# Altium PCB QAM16.PcbDoc (part 1 of 2)
Units mil, origin at the board's own origin, x right, y up, seen from the top; angles counter-clockwise.
Board outline 2913.39 x 1339.29 mil, 4 copper layers (Top Layer, MidLayer1, MidLayer2, Bottom Layer), stack 61.2 mil thick; 129 components, 99 nets, 457 pads, 177 vias.
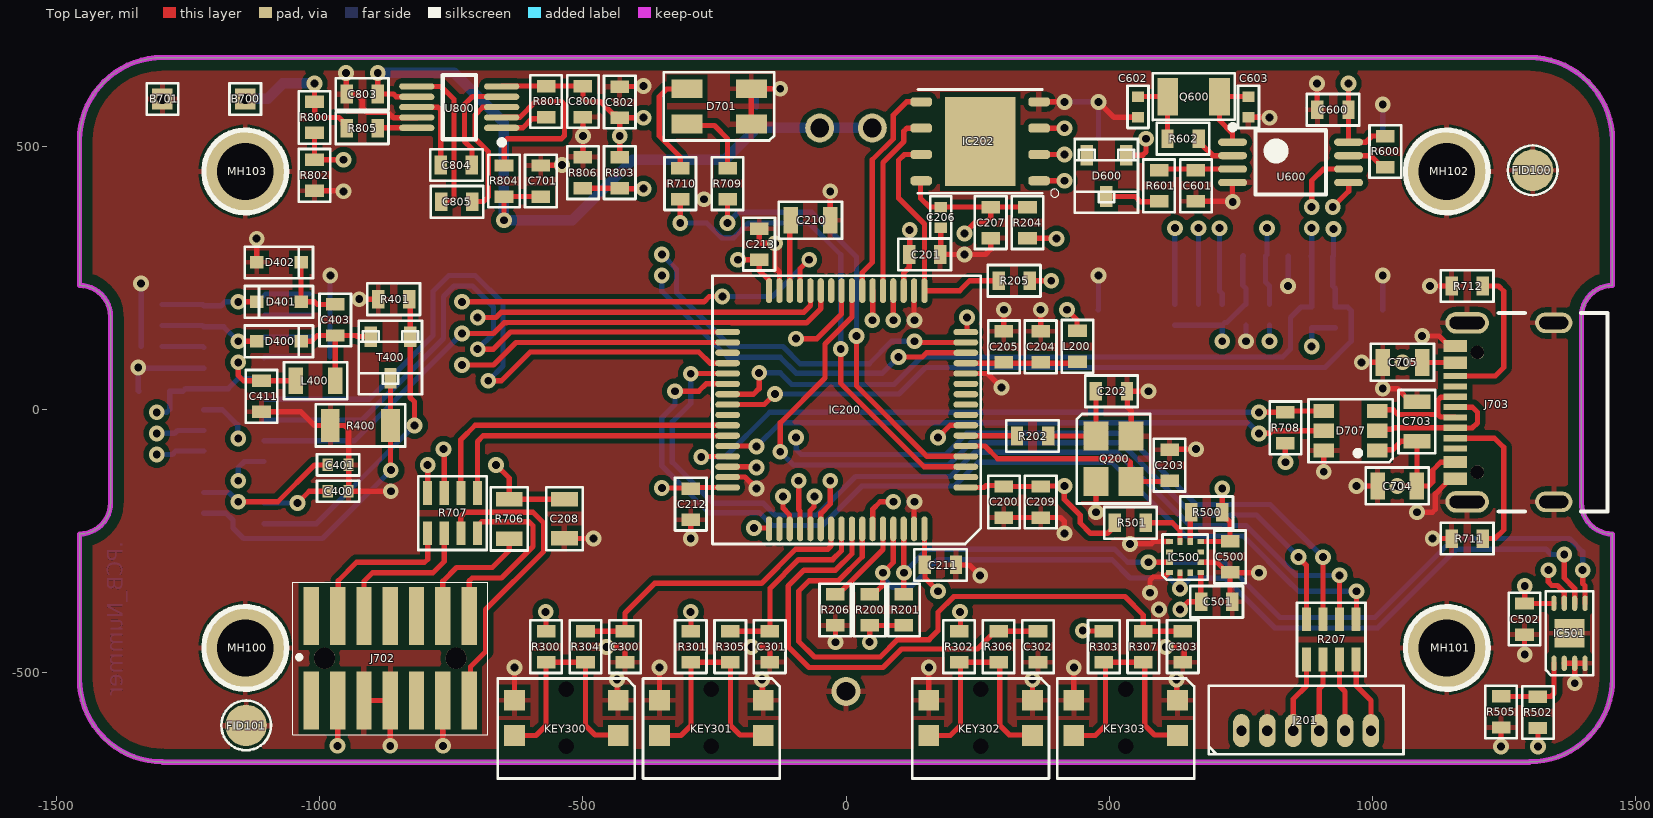
[diagram p0: Top Layer view]
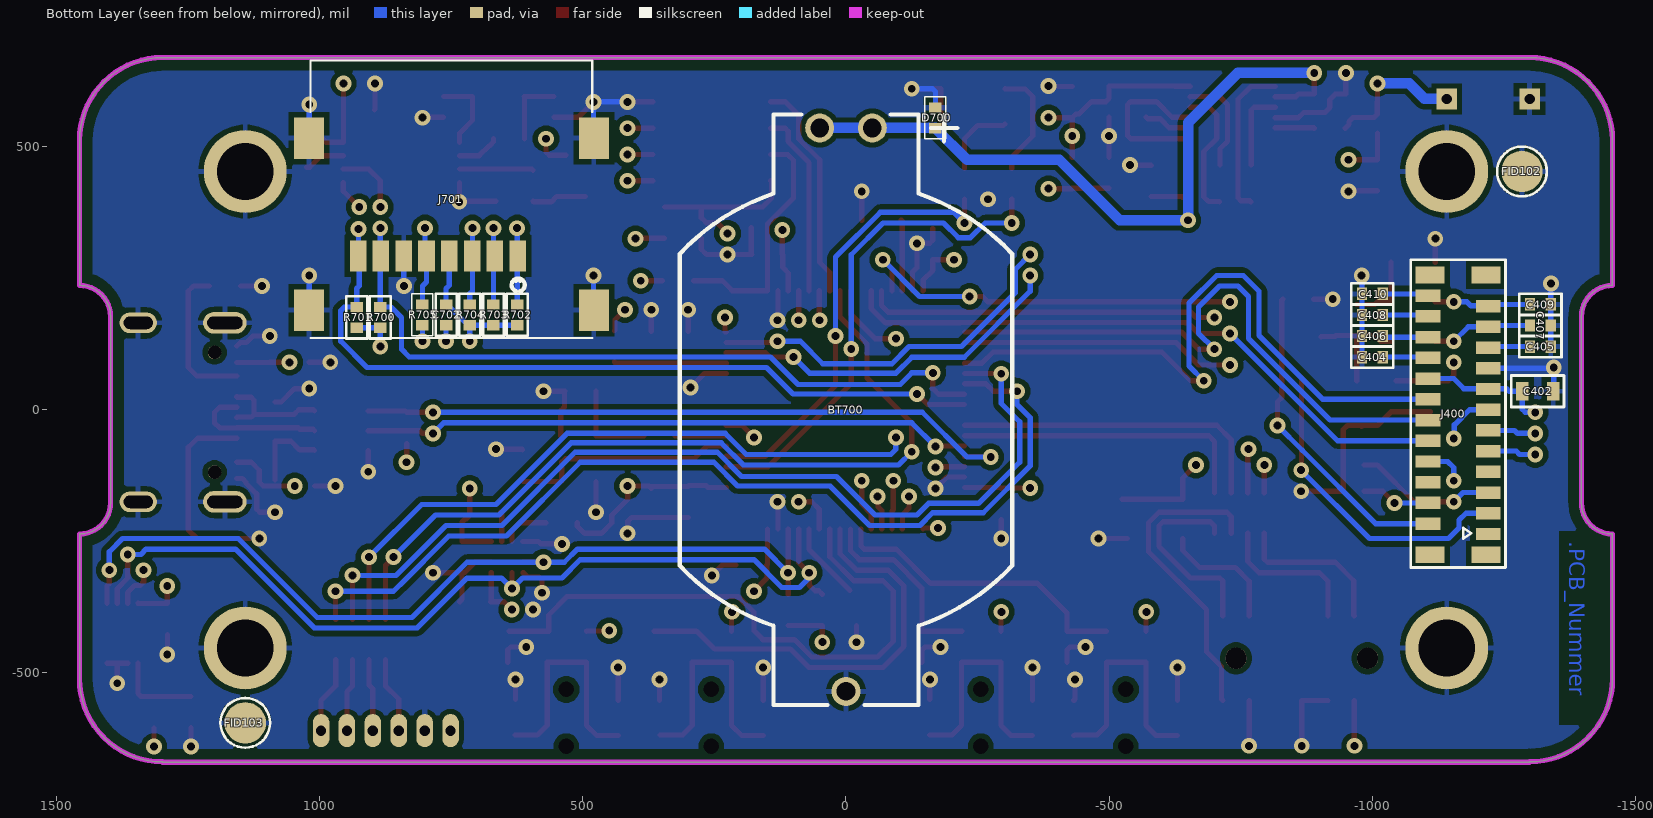
[diagram p1: Bottom Layer view, seen from below]
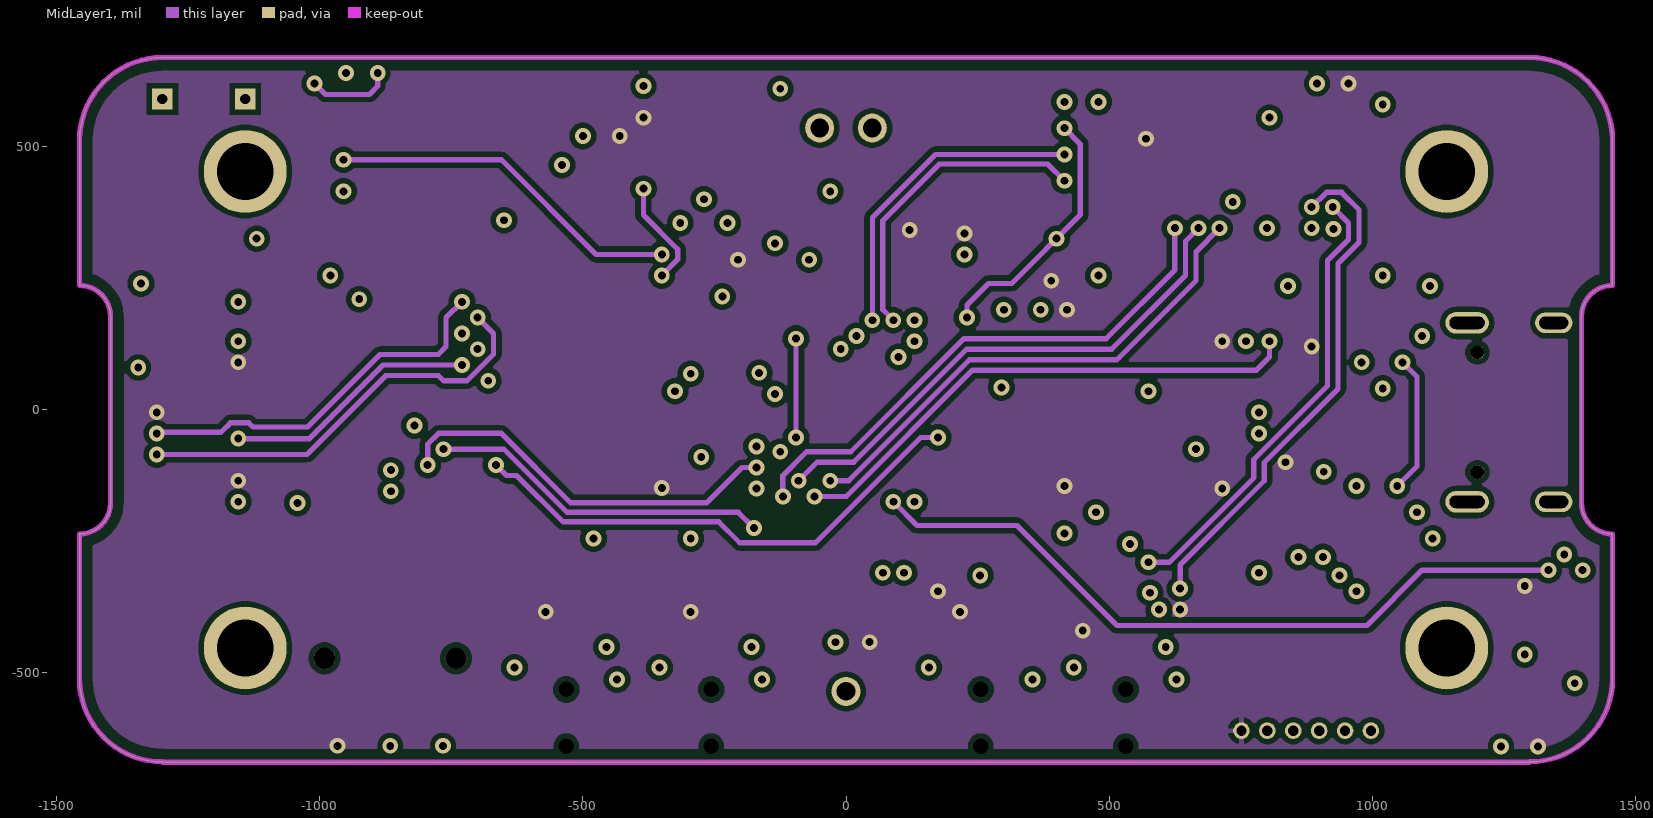
[diagram p2: MidLayer1]
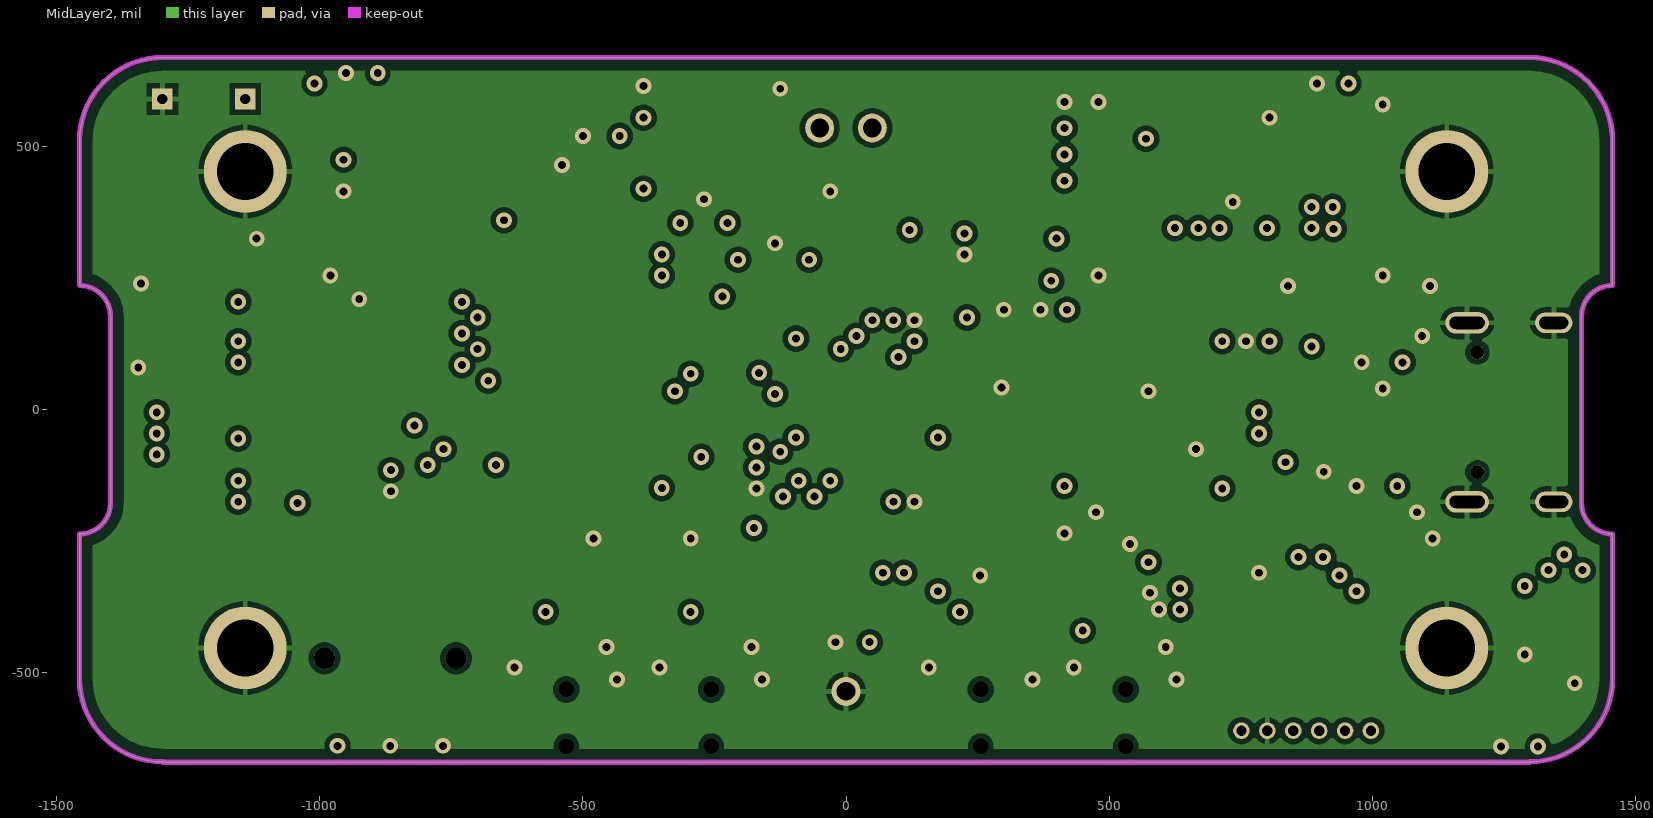
[diagram p3: MidLayer2]
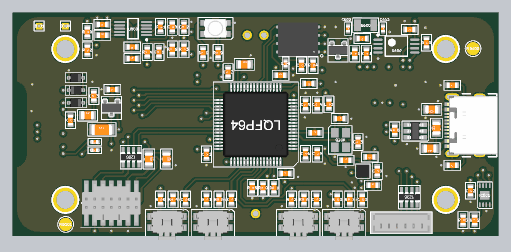
[diagram p5: 3D render of the assembled board from above, using the file's embedded part models]
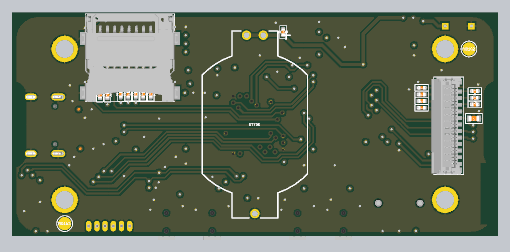
[diagram p6: 3D render of the assembled board from below, using the file's embedded part models]

## Layer stack, top to bottom
Top Solder: solder mask 0.5, Solder Resist, Dk 3.3
Top Layer: signal copper 0.7
Dielectric1: core 9, FR-4, Dk 4.3
MidLayer1: signal copper 1.4
Dielectric2: prepreg 39, FR-4, Dk 4.3
MidLayer2: signal copper 1.4
Dielectric3: core 9, FR-4, Dk 4.3
Bottom Layer: signal copper 0.7
Bottom Solder: solder mask 0.5, Solder Resist, Dk 3.3

## Board outline
-1299.21,-669.29 cw(c-1299.21,-511.81) -1456.69,-511.81 -1456.69,-236.22 ccw(c-1456.69,-177.17) -1397.64,-177.17 -1397.64,177.17 ccw(c-1456.69,177.17) -1456.69,236.22 -1456.69,511.81 cw(c-1299.21,511.81) -1299.21,669.29 1299.21,669.29 cw(c1299.21,511.81) 1456.69,511.81 1456.69,236.22 ccw(c1456.69,177.17) 1397.64,177.17 1397.64,-177.17 ccw(c1456.69,-177.17) 1456.69,-236.22 1456.69,-511.81 cw(c1299.21,-511.81) 1299.21,-669.29 1298.5,-670 -1298.5,-670

## Design rules (kind name [scope] priority, off if disabled: settings)
Clearance ClearancePad/Keepout [(IsPad) vs (OnLayer('Keep-Out Layer'))] p1: gap=20 ignorepadtopadclearanceinfootprint=TRUE except(0: Arc-Hole Track-Hole SMDPad-Hole THPad-Hole Via-Hole Fill-Hole Poly-Hole Region-Hole Text-Hole; 10: Arc-THPad Track-THPad SMDPad-THPad THPad-THPad)
Clearance ClearancePad/Keepout_1 [(InComponent('KEY300') AND InComponent('KEY301') AND InComponent('KEY302') AND InComponent('KEY303'))] p2: gap=0 ignorepadtopadclearanceinfootprint=TRUE
Clearance ClearancePad/Pad [(IsPad) vs (IsPad)] p3: gap=5 ignorepadtopadclearanceinfootprint=TRUE except(0: Arc-SMDPad Arc-Hole Track-SMDPad Track-Hole SMDPad-SMDPad SMDPad-Hole THPad-Hole Via-Hole Fill-Hole Poly-Hole Region-Hole Text-Hole)
Clearance ClearancePoly/Keepout [(IsRegion) vs (OnLayer('Keep-Out Layer'))] p4: gap=20 ignorepadtopadclearanceinfootprint=FALSE except(0: Arc-Hole Track-Hole SMDPad-Hole THPad-Hole Via-Hole Fill-Hole Poly-Hole Region-Hole Text-Hole)
Clearance ClearancePoly/All [(IsRegion)] p5: gap=10 ignorepadtopadclearanceinfootprint=FALSE except(0: Arc-Hole Track-Hole SMDPad-Hole THPad-Hole Via-Hole Fill-Hole Poly-Hole Region-Hole Text-Hole)
Clearance "ClearancePad/Via same Net" [(IsPad) vs (IsVia)] p6: gap=5 ignorepadtopadclearanceinfootprint=FALSE except(0: Arc-Hole Track-Hole SMDPad-Hole THPad-Hole Via-Hole Fill-Hole Poly-Hole Region-Hole Text-Hole)
Clearance "ClearancePad/Via different Net" [(IsPad) vs (IsVia)] p7: gap=8 ignorepadtopadclearanceinfootprint=FALSE except(0: Arc-Hole Track-Hole SMDPad-Hole THPad-Hole Via-Hole Fill-Hole Poly-Hole Region-Hole Text-Hole)
Clearance ClearanceVia/Via [(IsVia) vs (IsVia)] p8: gap=5 ignorepadtopadclearanceinfootprint=FALSE except(0: Arc-Hole Track-Hole SMDPad-Hole THPad-Hole Via-Hole Fill-Hole Poly-Hole Region-Hole Text-Hole; 8: Arc-Text Track-Text)
Clearance ClearanceTrack/Via [(IsTrack) vs (IsVia)] p9: gap=8 ignorepadtopadclearanceinfootprint=FALSE except(0: Arc-Hole Track-Hole SMDPad-Hole THPad-Hole Via-Hole Fill-Hole Poly-Hole Region-Hole Text-Hole)
Clearance ClearanceTrack/Pad [(IsTrack) vs (IsPad)] p10: gap=5 ignorepadtopadclearanceinfootprint=FALSE except(0: Arc-Hole Track-Hole SMDPad-Hole THPad-Hole Via-Hole Fill-Hole Poly-Hole Region-Hole Text-Hole)
Clearance ClearanceTrack/Track [(IsTrack) vs (IsTrack)] p11: gap=8 ignorepadtopadclearanceinfootprint=TRUE except(0: Arc-Hole Track-Hole SMDPad-Hole THPad-Hole Via-Hole Fill-Hole Poly-Hole Region-Hole Text-Hole)
ComponentClearance [All] p1: gap=0 collisioncheckmode=3 verticalgap=0 showdistances=FALSE
FabricationTestPointUsage TestPointUsage [All] p1: valid=0 allowmultiple=FALSE
FabricationTestpoint Testpoint [All] p1: side=3 testpointundercomponent=TRUE minsize=40 maxsize=100 preferedsize=60 minholesize=0 maxholesize=40 preferedholesize=32 testpointgrid=1 allowsidetop=TRUE allowsidebottom=TRUE usegrid=TRUE gridtolerance=0.01
HoleSize [All] p1: absolutevalues=TRUE maxlimit=10000 minlimit=1 maxpercent=80.000 minpercent=20.000
PlaneConnect [All] p1: pad.planeconnectstyle=Relief pad.reliefexpansion=20 pad.reliefentries=4 pad.reliefconductorwidth=10 pad.reliefairgap=10 via.planeconnectstyle=Direct via.reliefexpansion=20 via.reliefentries=4 via.reliefconductorwidth=10 via.reliefairgap=10
PolygonConnect [All] p1: thpad.connectstyle=Relief thpad.reliefconductorwidth=10 thpad.reliefentries=4 thpad.polygonreliefangle="90 Angle" thpad.airgapwidth=10 smdpad.connectstyle=Relief smdpad.reliefconductorwidth=10 smdpad.reliefentries=4 smdpad.polygonreliefangle="90 Angle" smdpad.airgapwidth=10 via.connectstyle=Direct via.reliefconductorwidth=10 via.reliefentries=4 via.polygonreliefangle="90 Angle" via.airgapwidth=10
RoutingVias [All] p1: holewidth=15 width=30 viastyle="Through Hole" minholewidth=15 minwidth=30 maxholewidth=15 maxwidth=30
SilkToSolderMaskClearance SilkscreenOverComponentPads [IsPad] p1: minsilkscreentomaskgap=10 clearancetoexposedcopper=TRUE
SolderMaskExpansion [(IsVia)] p1: expansion=4 istentingtop=TRUE
Width [All] p1: maxlimit=100 minlimit=5 preferedwidth=10
24 further rules are at their usual default settings.

## Components (designator, comment, footprint, x,y, rotation, side; value= is the part's Value field where it differs from the comment)
B700 "1.0mmX1.0mm Plattiert b=0.5mm" "1.0mmX1.0mm Plattiert b=0.5mm" -1141.73,590.55 r90 top value="1.0mmX1.0mm Plattiert b=0.5mm"
B701 "1.0mmX1.0mm Plattiert b=0.5mm" "1.0mmX1.0mm Plattiert b=0.5mm" -1299.21,590.55 r90 top value="1.0mmX1.0mm Plattiert b=0.5mm"
BT700 "HU2032-LF" RENA-HU2032-LF_V 0,0 r270 bottom
C200 "C 100nF 50V X7R" 0603-1608 300,-145.94 r270 top value="100nF 50V"
C201 "C 100nF 50V X7R" 0603-1608 120,295 r0 top value="100nF 50V"
C202 "C 12pF 100V" 0603-1608 475,35 r0 top value="12pF 100V"
C203 "C 12pF 100V" 0603-1608 615,-135 r90 top value="12pF 100V"
C204 "C 1uF 25V" 0603-1608 370,90 r90 top value="1uF 25V"
C205 "C 100nF 50V X7R" 0603-1608 300,90 r90 top value="100nF 50V"
C206 "C 10nF 50V" 0402-1005 180,385 r270 top value="10nF 50V"
C207 "C 1uF 25V" 0603-1608 275,385 r270 top value="1uF 25V"
C208 "C 100nF 50V" 0805-2012 -535,-170 r270 top value="100nF 50V"
C209 "C 4.7uF 25V" 0603-1608 370,-145.94 r270 top value="4.7uF 25V X5R"
C210 "C 2.2uF 25V X7R" 0805-2012 -105,360 r0 top value="2.2uF 25V"
C211 "C 100nF 50V X7R" 0603-1608 150,-295 r0 top value="100nF 50V"
C212 "C 100nF 50V X7R" 0603-1608 -295,-150 r270 top value="100nF 50V"
C213 "C 100nF 50V X7R" 0603-1608 -165,285 r90 top value="100nF 50V"
C300 "C 100nF 50V X7R" 0603-1608 -420,-420.94 r270 top value="100nF 50V"
C301 "C 100nF 50V X7R" 0603-1608 -145,-420.94 r270 top value="100nF 50V"
C302 "C 100nF 50V X7R" 0603-1608 365,-420.94 r270 top value="100nF 50V"
C303 "C 100nF 50V X7R" 0603-1608 640,-420.94 r270 top value="100nF 50V"
C400 "C 10nF 50V" 0402-1005 -945.63,-155 r180 top value="10nF 50V"
C401 "C 10nF 50V" 0402-1005 -945.63,-105 r180 top value="10nF 50V"
C402 "C 100nF 50V X7R" 0603-1608 -1344.06,35 r0 bottom value="100nF 50V"
C403 "C 4.7uF 25V" 0603-1608 -970.7,140.94 r90 top value="4.7uF 25V X5R"
C404 "C 10nF 50V" 0402-1005 -1020,100 r0 bottom value="10nF 50V"
C405 "C 10nF 50V" 0402-1005 -1300,120 r180 bottom value="10nF 50V"
C406 "C 10nF 50V" 0402-1005 -1020,140 r0 bottom value="10nF 50V"
C407 "C 10nF 50V" 0402-1005 -1300,160 r180 bottom value="10nF 50V"
C408 "C 10nF 50V" 0402-1005 -1020,180 r0 bottom value="10nF 50V"
C409 "C 10nF 50V" 0402-1005 -1300,200 r180 bottom value="10nF 50V"
C410 "C 10nF 50V" 0402-1005 -1020,220 r0 bottom value="10nF 50V"
C411 "C 4.7uF 25V" 0603-1608 -1110.7,55 r270 top value="4.7uF 25V X5R"
C500 "C 100nF 50V X7R" 0603-1608 730,-250 r270 top value="100nF 50V"
C501 "C 100nF 50V X7R" 0603-1608 675,-365 r0 top value="100nF 50V"
C502 "C 100nF 50V X7R" 0603-1608 1289.38,-368.39 r270 top value="100nF 50V"
C600 "C 100nF 50V X7R" 0603-1608 955,570 r180 top value="100nF 50V"
C601 "C 100pF 50V" 0603-1608 665,455 r270 top value="100pF 50V"
C602 "C 18pF 50V" 0402-1005 555,595 r270 top value="18pF 50V"
C603 "C 18pF 50V" 0402-1005 765,595 r270 top value="18pF 50V"
C701 "C 10uF 25V X5R" 0603-1608 -580,405 r90 top value="10uF 25V"
C702 "C 100nF 16V X7R" 0402-1005 760,200 r270 bottom value="100nF 16V X7R"
C703 "C 1uF 50V" 0805-2012 1085,-60 r90 top value="1uF 50V"
C704 "C 1uF 50V" 0805-2012 1085,-145 r180 top value="1uF 50V"
C705 "C 1uF 50V" 0805-2012 1095,90 r180 top value="1uF 50V"
C800 "C 10uF 25V X5R" 0603-1608 -500,615 r270 top value="10uF 25V"
C802 "C 100nF 50V X7R" 0603-1608 -430,555 r90 top value="100nF 50V"
C803 "C 10uF 25V X5R" 0603-1608 -890,600 r180 top value="10uF 25V"
C804 "C 1uF 25V" 0603-1608 -710.94,465 r180 top value="1uF 25V"
C805 "C 1uF 25V" 0603-1608 -769.06,395 r0 top value="1uF 25V"
D400 "BAT54JFILM" SOD323 -1120,130 r0 top
D401 "BAT54JFILM" SOD323 -1035.7,205 r180 top
D402 "BAT54JFILM" SOD323 -1120,280 r0 top
D600 "BAS16" SOT-23-3 532.4,483.74 r270 top
D700 "CG0402MLC-05LGA" 0402-1005 -170,574.37 r270 bottom value="5V TSV 0402"
D701 "WL-SBTW 3528" WL-SBTW -302.05,543.07 r90 top
D707 "STF202-22T1G" SOT-23-6 1010,-77.4 r180 top
FID100 "FIDUCIAL-2" FIDUCIAL_2 1305,455 r0 top
FID101 "FIDUCIAL-2" FIDUCIAL_2 -1140,-600 r0 top
FID102 "FIDUCIAL-2" FIDUCIAL_2 -1284.6,452.76 r180 bottom
FID103 "FIDUCIAL-2" FIDUCIAL_2 1141.73,-595.18 r180 bottom
IC200 "ST STM32F411RET6" "LQFP-64 Fine Pitch" 227.76,-147.8 r180 top
IC202 "W25Q128JWPIQ" WSON8-600X500X80-9N 255,510 r180 top
IC500 "MC3419" "LGA-12 2x2x0.95" 644.53,-280.16 r0 top
IC501 "MCP9844T-BE/MNY" TDFN-8 1345.47,-482.09 r90 top
J201 "MICRO-06 THT" "MICRO-06 ThruHole" 751.57,-610 r0 top
J400 "FFC 24 Pos 5019512410" Molex_5019512410 -1220.47,-236.22 r90 bottom
J701 "uSD Card Slot" GTFH08131YHR 750,400 r180 bottom
J702 "Stiftleiste_Stlink_V3" SAMTEC_FTSH-107-01-L-DV-K-A -866.14,-472.44 r0 top
J703 "USB Type C" GCT_USB4105 1345,-5 r90 top value=USB4105-GF-A
KEY300 "Drucktaste WE 220GF" WE-436333045822 -433.07,-552.4 r0 top
KEY301 "Drucktaste WE 220GF" WE-436333045822 -157.48,-552.4 r0 top
KEY302 "Drucktaste WE 220GF" WE-436333045822 354.33,-552.4 r0 top
KEY303 "Drucktaste WE 220GF" WE-436333045822 629.92,-552.4 r0 top
L200 "L 22nH" 0603-1608 440,150 r270 top value=22nH
L400 "L 68uH 500mA" 0805-2012 -1045.5,55 r0 top
MH100 "MH_M2.5_NEW" MH_M2.5_RND_NEW -1141.73,-452.76 r0 top locked
MH101 "MH_M2.5_NEW" MH_M2.5_RND_NEW 1141.73,-452.76 r0 top locked
MH102 "MH_M2.5_NEW" MH_M2.5_RND_NEW 1141.73,452.76 r0 top locked
MH103 "MH_M2.5_NEW" MH_M2.5_RND_NEW -1141.73,452.76 r0 top locked
Q200 "Quarz 25MHz 18pF 30ppm" ABM8G 475,-50 r270 top value="25MHz 30ppm"
Q600 "Quarz 32.768kHz 12.5pF 20ppm" 9HT10 660.79,595 r0 top value="32.768kHz 20ppm"
R200 "R 2.2k 1%" 0603-1608 45,-410 r90 top value="2.2k 1%"
R201 "R 2.2k 1%" 0603-1608 110,-410 r90 top value="2.2k 1%"
R202 "R 22E 1%" 0603-1608 325,-50 r0 top value="22E 1%"
R204 "R 10k 1%" 0603-1608 345,385 r270 top value=10k
R205 "R 10k 1%" 0603-1608 349.06,245 r180 top value=10k
R206 "R 10k 1%" 0603-1608 -20.43,-350.94 r270 top value=10k
R207 "R 100E 4x 1.0%" Array-1206-4Way 969.49,-475 r180 top value="100E 4x 1.0%"
R300 "R 10k 1%" 0603-1608 -570,-420.94 r270 top value=10k
R301 "R 10k 1%" 0603-1608 -295,-420.94 r270 top value=10k
R302 "R 10k 1%" 0603-1608 215,-420.94 r270 top value=10k
R303 "R 10k 1%" 0603-1608 490,-420.94 r270 top value=10k
R304 "R 100E 1%" 0603-1608 -495,-480 r90 top value="100E 1%"
R305 "R 100E 1%" 0603-1608 -220,-480 r90 top value="100E 1%"
R306 "R 100E 1%" 0603-1608 290,-480 r90 top value="100E 1%"
R307 "R 100E 1%" 0603-1608 565,-480 r90 top value="100E 1%"
R400 "R 0.33E 1.0%" 1206-3216 -979.87,-30 r0 top value="0.33E 1.0%"
R401 "R 10k 1%" 0603-1608 -830,210 r180 top value=10k
R500 "R 4.7k 1%" 0603-1608 715,-195 r180 top value="4.7k 1%"
R501 "R 4.7k 1%" 0603-1608 510.94,-215 r0 top value="4.7k 1%"
R502 "R 0E 1%" 0603-1608 1315,-605 r90 top value=0E
R505 "R 0E 1%" 0603-1608 1245,-545 r270 top value=0E
R600 "R 10k 1%" 0603-1608 1025,520 r270 top value=10k
R601 "R 1k 1%" 0603-1608 595,455 r270 top value="1K 1%"
R602 "R 0E 1%" 0603-1608 670,515 r180 top value=0E
R700 "R 10k 1%" 0402-1005 885,155.63 r90 bottom value="10k 1%"
R701 "R 10k 1%" 0402-1005 930,155.63 r90 bottom value="10k 1%"
R702 "R 10k 1%" 0402-1005 625,160.63 r90 bottom value="10k 1%"
R703 "R 10k 1%" 0402-1005 670,160.63 r90 bottom value="10k 1%"
R704 "R 10k 1%" 0402-1005 715,160.63 r90 bottom value="10k 1%"
R705 "R22E 1% 1/16W" 0402-1005 805,200 r270 bottom value="22E 1% 1/16W"
R706 "R 100E 1.0%" 0805-2012 -640,-170.2 r270 top value="100E 1.0%"
R707 "R 100E 4x 1.0%" Array-1206-4Way -700.51,-235 r180 top value="100E 4x 1.0%"
R708 "R 1.5k 1%" 0603-1608 835,-64.06 r90 top value="1.5k 1%"
R709 "R 1k 1%" 0603-1608 -225,400 r90 top value="1K 1%"
R710 "R 1k 1%" 0603-1608 -315,400 r90 top value="1K 1%"
R711 "R 5.1k 1%" 0603-1608 1210,-245 r180 top value="5k1 1%"
R712 "R 5.1k 1%" 0603-1608 1210,235 r180 top value="5k1 1%"
R800 "R 1.5M 1%" 0603-1608 -1010,585 r270 top value="1.5M 1%"
R801 "R 100k 1%" 0603-1608 -570,615 r270 top value="100k 1%"
R802 "R 1.5M 1%" 0603-1608 -1010,475 r270 top value="1.5M 1%"
R803 "R 1.5M 1%" 0603-1608 -430,480 r270 top value="1.5M 1%"
R804 "R 100k 1%" 0603-1608 -650,405 r90 top value="100k 1%"
R805 "R 100k 1%" 0603-1608 -949.06,535 r0 top value="100k 1%"
R806 "R 1.5M 1%" 0603-1608 -500,420.94 r90 top value="1.5M 1%"
T400 "SI2338DS" SOT-23-3 -828.3,138.74 r270 top
U600 "MCP79412-I/ST" TSSOP-ST8_L 845,470 r0 top
U800 "MCP1256T-E/UN" MSOP-UN10_N -735,575 r180 top

## Footprints (in the part's own frame and the unit in brackets; to place one, negate y for a bottom-side part, rotate by r counter-clockwise, add the part's x,y. Pads: shape width x height; smd on the part's side, far side on the other; paste and mask are expansions set on the pad)
"1.0mmX1.0mm Plattiert b=0.5mm" [mm]
  rect 1x1 hole 0.5: 1(0,0)
  silkscreen extent -0.76,-0.76 0.76,0.76
9HT10 [mm] "TXC 9HT10 Quartz Crystal"
  rect 1x1.8 smd: 1(-1.25,0) 2(1.25,0)
  silkscreen extent -1.97,-1.13 1.98,1.13, body extent -1.6,-0.75 1.6,0.75, height 0.75
0402-1005 [mm] "Chip Body 1.0 x 0.5 mm (LxW typ)"
  rect 0.5x0.6 smd: 1(0,0) 2(1,0)
  silkscreen extent -0.52,-0.51 1.52,0.51, body extent 0,-0.3 1,0.3, height 0.2
0603-1608 [mm] "Chip Body 1.6 x 0.8 mm (LxW typ)"
  rect 0.6x0.9 smd: 1(0,0) 2(1.5,0)
  silkscreen extent -0.52,-0.76 2.02,0.76, body extent -0.05,-0.4 1.55,0.4, height 0.3
0805-2012 [mm] "Chip Body 2.0 x 1.2 mm (LxW typ)"
  rect 0.7x1.3 smd: 1(0,0) 2(1.9,0)
  silkscreen extent -0.57,-0.89 2.47,0.89, body extent -0.05,-0.62 1.95,0.63, height 0.8
1206-3216 [mm]
  rect 0.9x1.6 smd: 1(0,0) 2(2.9,0)
  silkscreen extent -0.71,-1.02 3.61,1.02, body extent -0.15,-0.84 3.05,0.76, height 1
ABM8G [mm]
  rect 1.4x1.2 smd: 1(0,0) 2(2.2,1.7) 3(0,1.7) 3(2.2,0)
  silkscreen extent -1.06,-0.93 3.26,2.63, body extent -0.5,-0.4 2.7,2.1, height 1.01
Array-1206-4Way [mm]
  rect 0.44x1.15 smd: 1(0,0) 2(0,-1.95) 3(0.8,0) 4(0.8,-1.95) 5(1.6,0) 6(1.6,-1.95) 7(2.4,0) 8(2.4,-1.95)
  silkscreen extent -0.45,-2.75 2.85,0.8, body extent -0.4,-1.78 2.8,-0.17, height 0.5
FIDUCIAL_2 [mm]
  round 2 smd paste-25.4: 1(0,0)
  silkscreen extent -1.2,-1.2 1.2,1.2
GCT_USB4105 [mm]
  rect 0.6x1.15 smd: A1(-3.2,4.755) A4(-2.4,4.755) B1(3.2,4.755) B4(2.4,4.755)
  rect 0.3x1.15 smd: A5(-1.25,4.755) A6(-0.25,4.755) A7(0.25,4.755) A8(1.25,4.755) B5(1.75,4.755) B6(0.75,4.755) B7(-0.75,4.755) B8(-1.75,4.755)
  round 0.65 hole 0.65 unplated: None(-2.89,3.68) None(2.89,3.68)
  oval 1x1.8 hole 0.6 slot 1.4 at 90 deg: S1(-4.32,0) S1(4.32,0)
  oval 1.05x2.1 hole 0.6 slot 1.7 at 90 deg: S1(-4.32,4.18) S1(4.32,4.18)
  silkscreen extent -4.79,-2.6 4.79,2.65, body extent -4.47,-2.7 4.47,5, height 3.26
GTFH08131YHR [mm]
  rect 0.8x1.5 smd: 1(3.2,-2.75) 2(2.1,-2.75) 3(1,-2.75) 4(-0.1,-2.75) 5(-1.2,-2.75) 6(-2.3,-2.75) 7(-3.4,-2.75) 8(-4.5,-2.75)
  rect 1.45x2 smd: 9(-6.875,-5.35) 10(6.875,-5.35) 11(6.875,2.95) 12(-6.875,2.95)
  silkscreen extent -6.8,-6.7 6.8,6.7, body extent -7.33,-6.75 7.27,6.65, height 1.9
"LGA-12 2x2x0.95" [mm]
  rect 0.325x0.25 smd paste-1.016: 1(-0.75,-0.75) 2(-0.75,-0.25) 3(-0.75,0.25) 4(-0.75,0.75) 7(0.75,0.75) 8(0.75,0.25) 9(0.75,-0.25) 10(0.75,-0.75)
  rect 0.25x0.325 smd paste-1.016: 5(-0.25,0.75) 6(0.25,0.75) 11(0.25,-0.75) 12(-0.25,-0.75)
  silkscreen extent -1.09,-1.09 1.09,1.09, body extent -1,-1 1,1, height 0.94
"LQFP-64 Fine Pitch" [mm] "QFP, 80-Leads, Body 12x12mm (max), Pitch 0.5mm, IPC Medium Density"
  oval 1.2x0.3 smd: 1(0,0) 2(0,-0.5) 3(0,-1) 4(0,-1.5) 5(0,-2) 6(0,-2.5) 7(0,-3) 8(0,-3.5) 9(0,-4) 10(0,-4.5) 11(0,-5) 12(0,-5.5) 13(0,-6) 14(0,-6.5) 15(0,-7) 16(0,-7.5) 33(11.5,-7.5) 34(11.5,-7) 35(11.5,-6.5) 36(11.5,-6) 37(11.5,-5.5) 38(11.5,-5) 39(11.5,-4.5) 40(11.5,-4) 41(11.5,-3.5) 42(11.5,-3) 43(11.5,-2.5) 44(11.5,-2) 45(11.5,-1.5) 46(11.5,-1) 47(11.5,-0.5) 48(11.5,0)
  oval 0.3x1.2 smd: 17(2,-9.5) 18(2.5,-9.5) 19(3,-9.5) 20(3.5,-9.5) 21(4,-9.5) 22(4.5,-9.5) 23(5,-9.5) 24(5.5,-9.5) 25(6,-9.5) 26(6.5,-9.5) 27(7,-9.5) 28(7.5,-9.5) 29(8,-9.5) 30(8.5,-9.5) 31(9,-9.5) 32(9.5,-9.5) 49(9.5,2) 50(9,2) 51(8.5,2) 52(8,2) 53(7.5,2) 54(7,2) 55(6.5,2) 56(6,2) 57(5.5,2) 58(5,2) 59(4.5,2) 60(4,2) 61(3.5,2) 62(3,2) 63(2.5,2) 64(2,2)
  silkscreen extent -0.73,-10.23 12.23,2.73, body extent -0.25,-9.75 11.75,2.25, height 1.5
MH_M2.5_RND_NEW [mm]
  round 4 hole 2.75 mask+0.038: 1(0,0)
  silkscreen extent -2,-2 2,2
"MICRO-06 ThruHole" [mm]
  oval 0.8x1.6 / inner round 0.8 / far side oval 0.8x1.6 hole 0.5: 1(0,0) 2(1.25,0) 3(2.5,0) 4(3.75,0) 5(5,0) 6(6.25,0)
  silkscreen extent -1.57,-1.14 7.82,2.16, body extent -1.5,-1.12 7.75,2.08, height 4.22
Molex_5019512410 [mm]
  rect 0.6x1.2 smd: 1(0,0) 2(0.5,2.9) 3(1,0) 4(1.5,2.9) 5(2,0) 6(2.5,2.9) 7(3,0) 8(3.5,2.9) 9(4,0) 10(4.5,2.9) 11(5,0) 12(5.5,2.9) 13(6,0) 14(6.5,2.9) 15(7,0) 16(7.5,2.9) 17(8,0) 18(8.5,2.9) 19(9,0) 20(9.5,2.9) 21(10,0) 22(10.5,2.9) 23(11,0) 24(11.5,2.9)
  rect 0.8x1.4 smd: MF(-1,0.1) MF(-1,2.8) MF(12.5,0.1) MF(12.5,2.8)
  silkscreen extent -1.62,-0.84 13.24,3.74, body extent -1.65,-0.4 13.15,4.1, height 4.06
MSOP-UN10_N [mm] "TSSOP, 10-Leads, Body 3x3mm, Pitch 0.5mm, IPC Medium Density"
  oval 1.7x0.3 smd: 1(-2.05,1) 2(-2.05,0.5) 3(-2.05,0) 4(-2.05,-0.5) 5(-2.05,-1) 6(2.05,-1) 7(2.05,-0.5) 8(2.05,0) 9(2.05,0.5) 10(2.05,1)
  silkscreen extent -2.17,-1.55 0.8,1.82, body extent -1.55,-1.55 1.55,1.55, height 1.1
RENA-HU2032-LF_V [mm] "THD, 3-Leads, Body 28.5x16.05mm"
  round 1.4 hole 0.9: 1(-13.6,1.27) 2(-13.6,-1.27) 3(13.6,0)
  silkscreen extent -14.25,-8.03 14.25,8.03, body extent -14.25,-8.03 14.25,8.03, height 5.35
SAMTEC_FTSH-107-01-L-DV-K-A [mm]
  rect 0.74x2.79 smd: 1(-3.81,-2.035) 2(-3.81,2.035) 3(-2.54,-2.035) 4(-2.54,2.035) 5(-1.27,-2.035) 6(-1.27,2.035) 7(0,-2.035) 8(0,2.035) 9(1.27,-2.035) 10(1.27,2.035) 11(2.54,-2.035) 12(2.54,2.035) 13(3.81,-2.035) 14(3.81,2.035)
  round 1.02 hole 1.02 unplated: ""(-3.175,0) ""(3.175,0)
  silkscreen extent -4.69,-3.68 4.69,3.68, body extent -4.44,-2.92 4.44,2.92, height 6.16
SOD323 [mm]
  rect 0.65x0.6 smd: 1(0,0) 3(2.141,0)
  silkscreen extent -0.58,-0.76 2.72,0.76, body extent -0.23,-0.68 2.37,0.67, height 1.1
SOT-23-3 [mm] "SOT23, 3-Leads, Body 2.9x1.3mm, Pitch 0.95mm, Lead Span 2.3mm, IPC High Density"
  rect 1x0.6 smd: 1(0,0) 2(0,-1.9) 3(2,-0.95)
  silkscreen extent -0.78,-2.47 2.78,0.57, body extent -0.24,-2.41 2.23,0.51, height 1.04
SOT-23-6 [mm] "SOT-457/SC-74; 6 Leads; Body 3 x 3 mm, inc. leads (LxW max)"
  rect 0.99x0.69 smd: 1(0,0) 2(0,-0.95) 3(0,-1.9) 4(2.59,-1.9) 5(2.59,-0.95) 6(2.59,0)
  silkscreen extent -0.74,-2.47 3.33,0.57, body extent 0.09,-2.35 2.52,0.45, height 1.09
TDFN-8 [mm]
  oval 0.75x0.25 smd: 1(0,0) 2(0,-0.5) 3(0,-1) 4(0,-1.5) 5(2.9,-1.5) 6(2.9,-1) 7(2.9,-0.5) 8(2.9,0)
  rect 1.36x1.46 smd: 4(1.45,-0.75)
  silkscreen extent -0.58,-1.89 3.48,0.39, body extent -0.1,-1.75 3,0.25, height 0.75
TSSOP-ST8_L [mm] "TSOP, 8-Leads, Body 3x4.4mm, Pitch 0.65mm, IPC High Density"
  oval 1.4x0.35 smd: 1(-2.8,0.975) 2(-2.8,0.325) 3(-2.8,-0.325) 4(-2.8,-0.975) 5(2.8,-0.975) 6(2.8,-0.325) 7(2.8,0.325) 8(2.8,0.975)
  silkscreen extent -2.92,-1.55 1.7,1.82, body extent -2.25,-1.55 2.25,1.55, height 1.2
WE-436333045822 [mm]
  rect 1x1 smd: 1(-5,0) 1(0,0) 2(-5,-1.7) 2(0,-1.7)
  round 0 hole 0.75 unplated: MH(-2.5,-2.225) MH(-2.5,0.525)
  silkscreen extent -5.8,-3.77 0.8,1.05, body extent -5.25,-3.6 0.25,0.9, height 1.65
WL-SBTW [mm]
  rect 0.9x1.5 smd: 1(0,0) 2(1.7,0) 3(0,-3.1) 4(1.7,-3.1)
  silkscreen extent -0.8,-4.22 2.5,1.12, body extent -0.55,-3.3 2.25,0.2, height 1.92
WSON8-600X500X80-9N [mm]
  rect 3.4x4.3 smd paste-3: 0(0,0)
  rrect70% 1.04x0.44 smd: 1(-2.845,1.905) 2(-2.845,0.635) 3(-2.845,-0.635) 4(-2.845,-1.905) 5(2.845,-1.905) 6(2.845,-0.635) 7(2.845,0.635) 8(2.845,1.905)
  silkscreen extent -3.8,-2.5 3,2.7, body extent -3.05,-2.55 3.05,2.55, height 0.81

## Part data
B700 B701: library part D0052, "Flat", Operating Range=-55°C…+125°C, Availability Date="14.11.2016 OPT", Changed=19.09.2011, Component Type=Standard, ID=D0052, Note="1.0mmX1.0mm Plattiert b=0.5mm", Part-Number=00.0000.0000, Pin Count=1, Price=0, Price Date="07.10.2011 MLP", Specification="19.09.2011 MLP", Status=Active
BT700: library part CMP-2000-06429-1, "Coin Cell Battery Holder, CR2032, Horizontal, -40 to 100 degC, 3-Pin THD, RoHS, Tray", Manufacturer=Renata, Package Description="3-Pin Through Hole Device, Body 28.5 x 16.05 mm", Battery Cell Size=20mm, Brand=Renata, Contact Plating=Nickel, Datasheet URL=http://www.renata.com/fileadmin/downloads/productsheets/battery_holders/HU2032-LF.pdf, Datasheet Version="Rev. 2, 09/2010", Dimensions=28.5mmx16.1mmx5.2mm, Factory Pack Quantity=500, Manufacturer URL=http://www.renata.com/, Material=LiquidCrystalPolymer(LCP), Mounting Style=ThroughHole, Mounting Technology=ThroughHole, Package Reference=HU2032-LF, Product=BatteryHolders, Product Category=CoinCellBatteryHolders, RoHS=Details, Termination Style=SolderPins, Type=BatteryHolder
C200 C201 C205 C211 C212 C213 C300 C301 C302 C303 C402 C500 C501 C502 C600 C802: library part F0161, "Capacitor", Manufacturer=KEMET, Manufacturer Part Number=C0603C104K5RACTU, Operating Range="-55°C to +125°C", Supplier Part Number 1=399-5089-1-ND, Availability Date="15.11.2016 OPT", Changed="05.09.2013 OPT", Component Type=Standard, ComponentLink1Description=Datasheet, ComponentLink1URL=http://www.kemet.com/kemet/web/homepage/kechome.nsf/vapubfiles/KEM_C1002_X7R_SMD.pdf/$file/KEM_C1002_X7R_SMD.pdf, Flammability=n.a., ID=F0161, Note="100nF 50V X7R 10% Kemet C0603C104K5RACTU", Part Status=Active, Part-Number=63.0104.1450, Pin Count=2, Price=0.01, Price 100=0.007, Price 1000=0.007, Price Date="02.12.2019 Pro Alpha", RoHS="RoHS Compliant", RoHS compliant=Yes, Specification="05.09.2013 OPT", Status=Active, Supplier 1=Digi-Key
C202 C203: library part F0038, "Capacitor", Manufacturer=KEMET, Manufacturer Part Number=C0603C120K1GACTU, Operating Range="-55°C to +125°C", Supplier Part Number 1=399-8995-1-ND, Availability Date="15.11.2016 OPT", Changed="19.09.2011 MLP", Component Type=Standard, ComponentLink1Description=http://www.kemet.com/docfinder?Partnumber=C0603C120K1GACTU, ComponentLink1URL=http://www.kemet.com/docfinder?Partnumber=C0603C120K1GACTU, Flammability=n.a., ID=F0038, Note="12pF NP0 100V 10% AVX 06031A120KAT2A", Part Status=Active, Part-Number=63.0120.0400, Pin Count=2, Price=0.011, Price 100=0.011, Price 1000=0.011, Price Date="02.12.2019 Pro Alpha", RoHS="RoHS Compliant", RoHS compliant=Yes, Specification="19.09.2011 MLP", Status=Active, Supplier 1=Digi-Key, Verification="05.07.2012 OPT"
C204 C207 C804 C805: library part F0180, "Capacitor", Manufacturer=KEMET, Manufacturer Part Number=C0603C105K3RACTU, Operating Range="-55°C to +125°C", Supplier Part Number 1=399-7376-1-ND, Availability Date="15.11.2016 OPT", Changed="23.09.2014 OPT", Component Type=Standard, ComponentLink1Description=Datasheet, ComponentLink1URL=http://www.yuden.co.jp/eu/product/category/capacitor/TMK107B7105KA-T.html, Flammability=n.a., ID=F0180, Note="1uF 10% 25V X7R Kemet C0603C105K3RACTU", Part Status=Active, Part-Number=63.7000.0123, Pin Count=2, Price=0.014, Price 100=0.022, Price 1000=0.018, Price Date="02.12.2019 Pro Alpha", RoHS="RoHS Compliant", RoHS compliant=Yes, Specification="18.09.2014 OPT", Status=Active, Supplier 1=Digi-Key
C206 C400 C401 C404 C405 C406 C407 C408 C409 C410: library part F0093, "Capacitor", Manufacturer=KEMET, Manufacturer Part Number=C0402C103K5RACTU, Operating Range="-55°C to +125°C", Supplier Part Number 1=399-3066-1-ND, Availability Date="15.11.2016 OPT", Changed="19.09.2011 MLP", Component Type=Standard, Flammability=n.a., ID=F0093, Note="10nF 50V X7R KEMET C0402C103K5RACTU", Part Status=Active, Part-Number=63.7000.0040, Pin Count=2, Price=0.004, Price 100=0.002, Price 1000=0.002, Price Date="02.12.2019 Pro Alpha", RoHS="RoHS Compliant", RoHS compliant=Yes, Specification="19.09.2011 MLP", Status=Active, Supplier 1=Digi-Key, Verification="05.07.2012 OPT"
C208: library part F0123, "Capacitor", Manufacturer=KEMET, Manufacturer Part Number=C0805C104M5RACTU, Operating Range="-40°C to +85°C", Supplier Part Number 1=399-1169-1-ND, Availability Date="15.11.2016 OPT", Changed="21.12.2012 OPT", Component Type=Standard, ComponentLink1Description=Datasheet, ComponentLink1URL=http://avx.com/docs/Catalogs/cx7r.pdf, ComponentLink2Description=http://www.kemet.com/docfinder?Partnumber=C0805C104M5RACTU, ComponentLink2URL=http://www.kemet.com/docfinder?Partnumber=C0805C104M5RACTU, Flammability=n.a., ID=F0123, Note="100nF 50V X7R 20% AVX 08055C104MAT2A", Part Status=Active, Part-Number=63.0104.1500, Pin Count=2, Price=0.026, Price 100=0.014, Price 1000=0.014, Price Date="02.12.2019 Pro Alpha", RoHS="RoHS Compliant", RoHS compliant=Yes, Specification="21.12.2012 OPT", Status=Active, Supplier 1=Digi-Key
C209 C403 C411: library part F0193, "Capacitor", Manufacturer="Murata Electronics North America", Manufacturer Part Number=GRM188R61E475ME11D, Operating Range="-55°C to +85°C", Supplier Part Number 1=GRM188R61E475ME11D-ND, Availability Date="15.11.2016 OPT", Changed="02.09.2015 OPT", Component Type=Standard, ComponentLink1Description=Datasheet, ComponentLink1URL=http://search.murata.co.jp/Ceramy/image/img/A01X/partnumbering_e_01.pdf, ComponentLink2Description=http://search.murata.co.jp/Ceramy/image/img/A01X/G101/ENG/GRM188R61E475ME11-01.pdf, ComponentLink2URL=http://search.murata.co.jp/Ceramy/image/img/A01X/G101/ENG/GRM188R61E475ME11-01.pdf, Flammability=n.a., ID=F0193, Note="4.7uF 25V X5R 20% Murata Electronics GRM188R61E475ME11D", Part Status=Active, Part-Number=63.7000.0032, Pin Count=2, Price=0.096, Price 100=0.13, Price 1000=0.11, Price Date="02.12.2019 Pro Alpha", RoHS="RoHS Compliant", RoHS compliant=Yes, Specification="02.09.2015 OPT", Status=Active, Supplier 1=Digi-Key